# Altium PCB PCB1.PcbDoc
Units mm, origin at the board's own origin, x right, y up, seen from the top; angles counter-clockwise.
Board outline 100 x 70 mm, 2 copper layers (Top Layer, Bottom Layer); 33 components, 38 nets, 154 pads, 46 vias.
Unrouted connection lines stored in the file: 1.
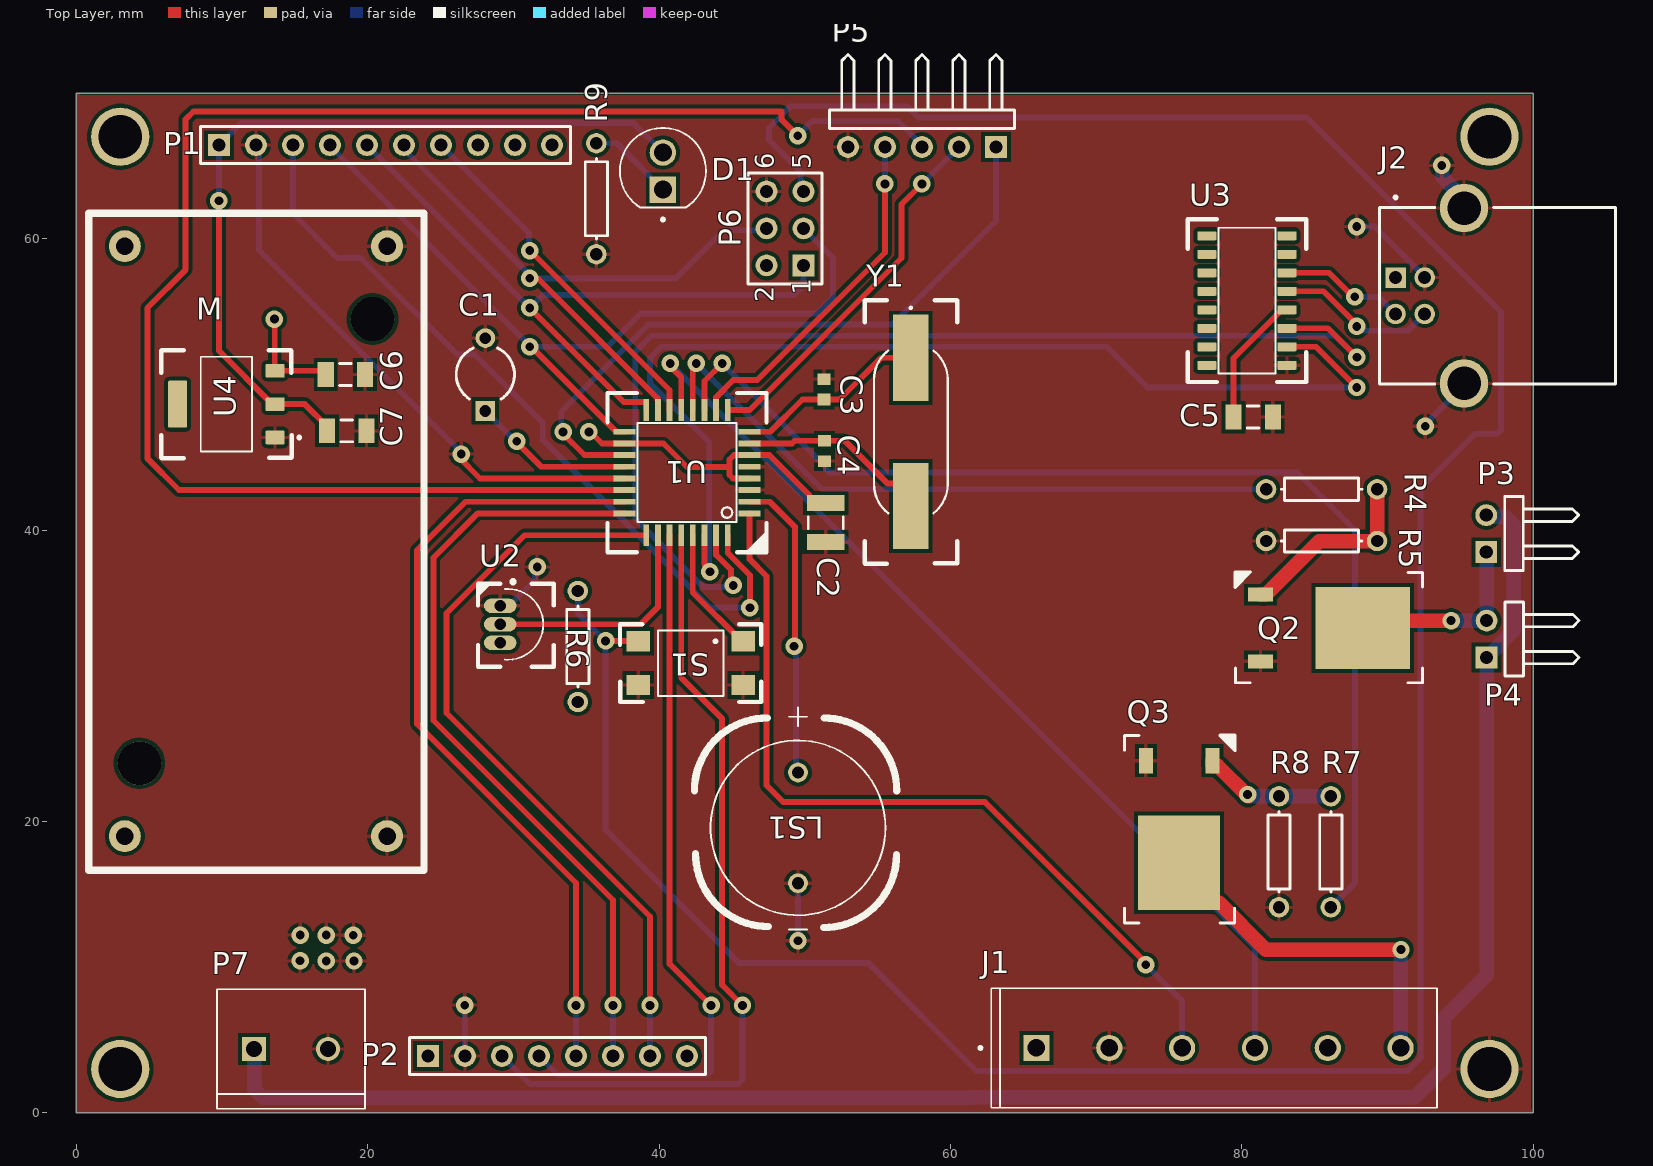
[diagram p0: Top Layer view]
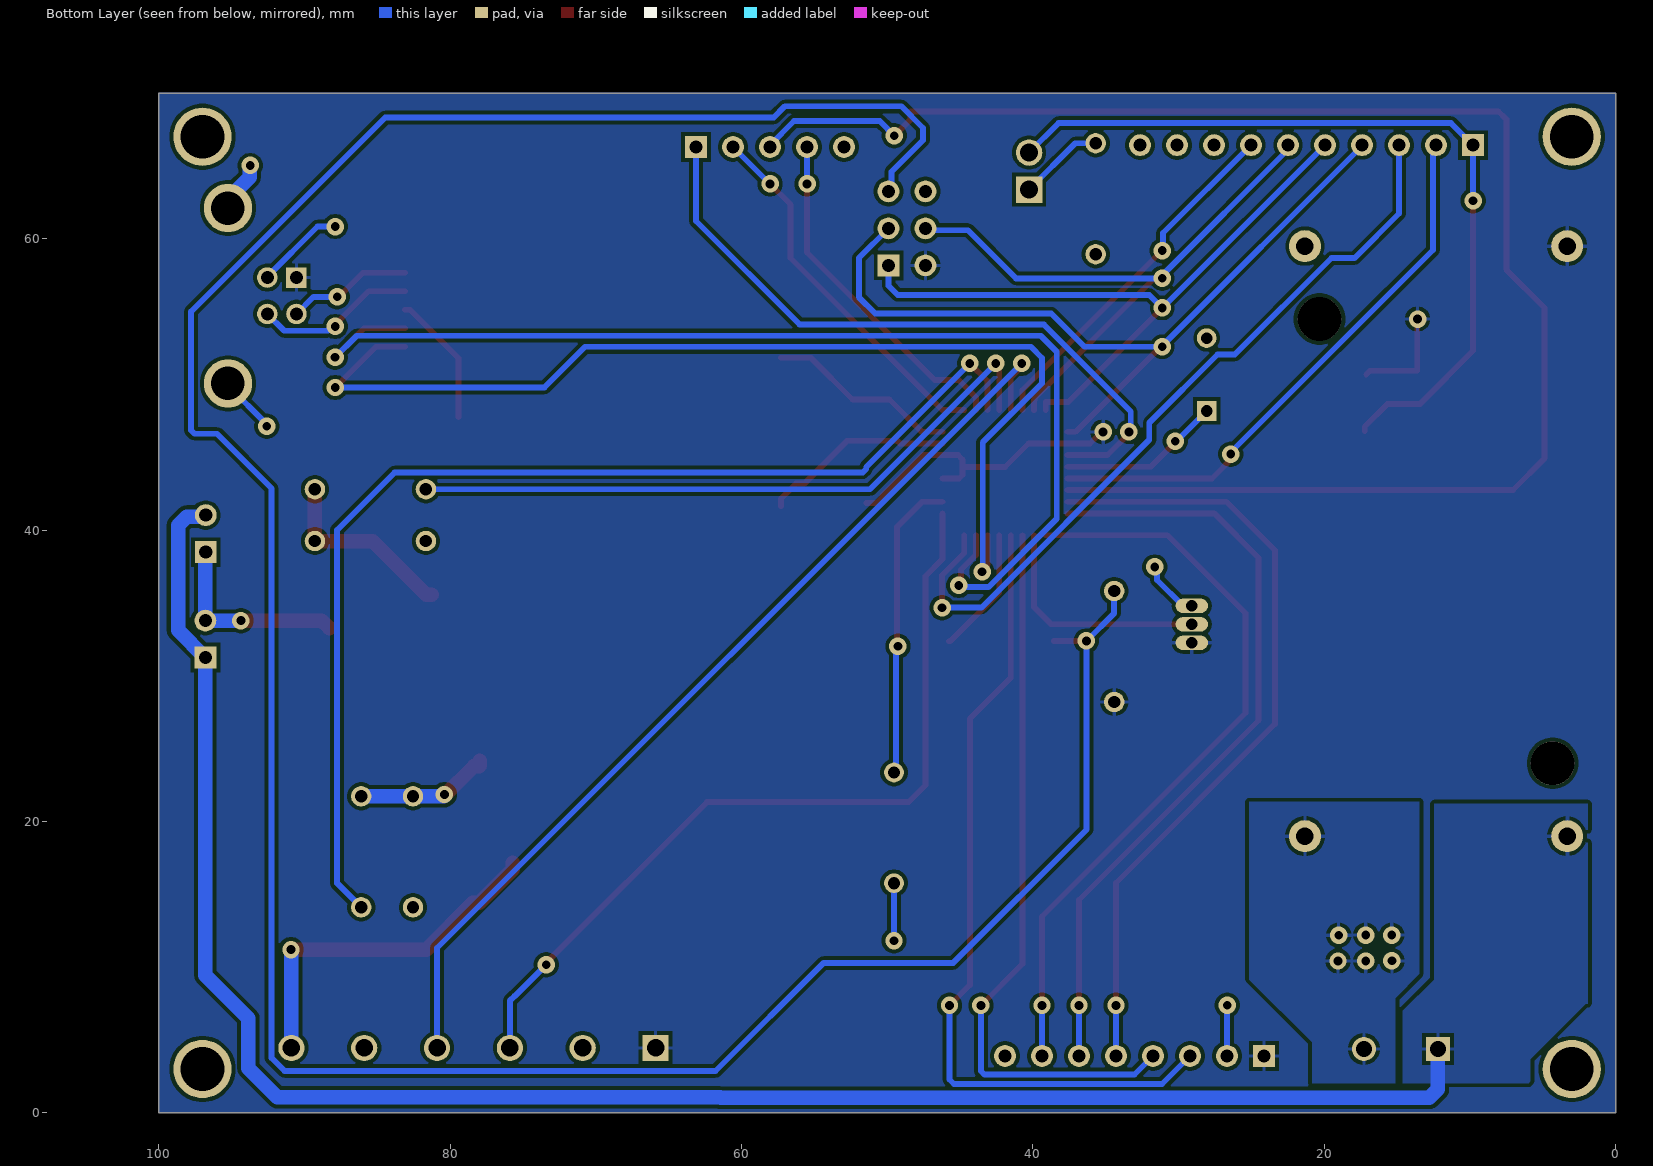
[diagram p1: Bottom Layer view, seen from below]

## Layer stack, top to bottom
Top Solder: solder mask 0.0102, Solder Resist, Dk 3.5
Top Layer: signal copper 0.0356
Dielectric 1: dielectric 0.32, FR-4, Dk 4.8
Bottom Layer: signal copper 0.0356
Bottom Solder: solder mask 0.0102, Solder Resist, Dk 3.5

## Board outline
0,0 0,70 100,70 100,0

## Design rules (kind name [scope] priority, off if disabled: settings)
Clearance [All] p1: gap=0.254 ignorepadtopadclearanceinfootprint=FALSE except(0: Arc-Hole Track-Hole SMDPad-Hole THPad-Hole Via-Hole Fill-Hole Poly-Hole Region-Hole Text-Hole)
HoleSize [All] p1: absolutevalues=TRUE maxlimit=8 minlimit=0.6 maxpercent=80.000 minpercent=20.000
HoleToHoleClearance [All] p1: gap=0.6 allowstackedmicrovias=TRUE
PolygonConnect [All] p1: connectstyle=Relief reliefconductorwidth=0.254 reliefentries=4 polygonreliefangle="90 Angle" airgapwidth=0.254
RoutingVias [All] p1: holewidth=0.711 width=1.27 viastyle="Through Hole" minholewidth=0.711 minwidth=1.27 maxholewidth=0.711 maxwidth=1.27
SolderMaskExpansion [All] p1: expansion=0.102 istentingtop=FALSE
Width [All] p1: maxlimit=2 minlimit=0.4 preferedwidth=0.4
28 further rules are at their usual default settings.

## Components (designator, comment, footprint, x,y, rotation, side; value= is the part's Value field where it differs from the comment)
C1 "Cap2" CAPR5-4X5 28.067,50.673 r90 top value=0.1uF
C2 "Cap Semi" C1210 51.435,40.513 r270 top value=10uF
C3 "Cap Semi" 1608[0603] 51.308,49.657 r90 top value=22pF
C4 "Cap Semi" 1608[0603] 51.359,45.432 r270 top value=22pF
C5 "Cap Semi" C1206 80.772,47.752 r0 top value=0.1uF
C6 "Cap" C1206 18.462,50.673 r0 top value=10uF
C7 "Cap" C1206 18.559,46.807 r0 top value=10uF
D1 "Power" LEDRD254W57D500H1070 40.259,64.643 r90 top
J1 "Gripper" TE_282836-6 78.399,4.445 r0 top
J2 "USB-B" SAMTEC_USB-B-S-X-X-TH 95.25,56.083 r90 top
LS1 "Buzzer" XDCR_AI-1223-TWT-12V-R 49.53,19.558 r0 top
M "LM2596 Buck Converter" PCBComponent_1 12.349,39.197 r90 top
P1 "Wireless Hub" HDR1X10 9.779,66.421 r0 top
P2 "Dashboard" HDR1X8 24.128,3.895 r0 top
P3 "Header 2H" HDR1X2H 96.774,38.481 r90 top
P4 "Header 2H" HDR1X2H 96.801,31.242 r90 top
P5 "Motor Driver" HDR1X5H 63.119,66.294 r180 top
P6 "ISP" HDR2X3 49.911,58.166 r90 top
P7 "12V Battery" TE_282837-2 14.732,4.375 r0 top
Q2 "NMOS-2" SM3113 88.173,33.146 r270 top
Q3 "NMOS-2" SM3113 75.565,17.272 r180 top
R4 "Res1" AXIAL-0.3 85.471,42.799 r180 top value=1K
R5 "Res1" AXIAL-0.3 85.471,39.243 r0 top value=1K
R6 "Res1" AXIAL-0.3 34.417,32.004 r270 top value=1K
R7 "Res1" AXIAL-0.3 86.106,17.907 r270 top value=1K
R8 "Res1" AXIAL-0.3 82.55,17.907 r90 top value=1K
R9 "Res1" AXIAL-0.3 35.687,62.738 r270 top value=100
S1 "SW-PB" SW_TL3305AF160QG 42.164,30.861 r180 top
U1 "ATMEGA328P-AU" QFP80P900X900X120-32N 41.91,43.942 r180 top
U2 "DS18B20" TO-92-TO92127P495H2044-3 29.845,33.528 r270 top
U3 "CH340C" SOIC127P600X180-16N 80.347,55.753 r180 top
U4 "AMS1117-3.3" SOT229P700X180-4N 10.287,48.641 r180 top
Y1 "16MHz Crystal" H32_RAM 57.277,46.736 r270 top

## Footprints (in the part's own frame and the unit in brackets; to place one, negate y for a bottom-side part, rotate by r counter-clockwise, add the part's x,y. Pads: shape width x height; smd on the part's side, far side on the other; paste and mask are expansions set on the pad)
1608[0603] [mm] "Chip Capacitor, Body 1.6x0.8mm, IPC High Density"
  rect 0.8x0.9 smd: 1(-0.7,0) 2(0.7,0)
  body extent -0.87,-0.48 0.87,0.48, height 1.3
AXIAL-0.3 [mm] "Axial Device, Thru-Hole; 2 Leads; 0.3 in Pin Spacing"
  round 1.4 hole 0.85: 1(-3.81,0) 2(3.81,0)
  silkscreen extent -2.77,-0.76 2.77,0.76
C1206 [mm] "Chip Capacitor, Body 3.2x1.6mm, IPC High Density"
  rect 1.1x1.7 smd: 1(-1.35,0) 2(1.35,0)
  silkscreen extent -0.4,-0.75 0.4,0.75, body extent -1.7,-0.9 1.7,0.9, height 1.3
C1210 [mm] "Chip Capacitor, Body 3.2x2.5mm, IPC High Density"
  rect 1.1x2.6 smd: 1(-1.35,0) 2(1.35,0)
  silkscreen extent -0.4,-1.2 0.4,1.2, body extent -1.7,-1.35 1.7,1.35, height 1.3
CAPR5-4X5 [mm] "Capacitor; 2 Leads"
  rect 1.35x1.35 hole 0.8: 1(-2.5,0)
  round 1.35 hole 0.8: 2(2.5,0)
  silkscreen extent -1.69,-2 1.82,2
H32_RAM [mm]
  rect 5.912x2.432 smd paste+0 mask+0: 1(-5.088,0) 2(5.088,0)
  silkscreen extent -9.04,-3.18 9.04,3.18, body extent -7.54,-2.4 7.54,2.4, height 3.25
HDR1X2H [mm] "Connector; Header; 2 Position; Right Angle"
  rect 1.5x1.5 hole 0.9: 1(0,0)
  round 1.5 hole 0.9: 2(2.54,0)
  silkscreen extent -1.27,-6.35 3.81,-1.27
HDR1X5H [mm] "Connector; Header; 5 Position; Right Angle"
  rect 1.5x1.5 hole 0.9: 1(0,0)
  round 1.5 hole 0.9: 2(2.54,0) 3(5.08,0) 4(7.62,0) 5(10.16,0)
  silkscreen extent -1.27,-6.35 11.43,-1.27
HDR1X8 [mm] "Connector; Header; 8 Position"
  rect 1.5x1.5 hole 0.9: 1(0,0)
  round 1.5 hole 0.9: 2(2.54,0) 3(5.08,0) 4(7.62,0) 5(10.16,0) 6(12.7,0) 7(15.24,0) 8(17.78,0)
  silkscreen extent -1.27,-1.27 19.05,1.27
HDR1X10 [mm] "Connector; Header; 10 Position"
  rect 1.5x1.5 hole 0.9: 1(0,0)
  round 1.5 hole 0.9: 2(2.54,0) 3(5.08,0) 4(7.62,0) 5(10.16,0) 6(12.7,0) 7(15.24,0) 8(17.78,0) 9(20.32,0) 10(22.86,0)
  silkscreen extent -1.27,-1.27 24.13,1.27
HDR2X3 [mm] "Connector; Header; 3x2 Position"
  rect 1.5x1.5 hole 0.9: 1(0,0)
  round 1.5 hole 0.9: 2(0,2.54) 3(2.54,0) 4(2.54,2.54) 5(5.08,0) 6(5.08,2.54)
  silkscreen extent -1.27,-1.27 6.35,3.81
LEDRD254W57D500H1070 [mm]
  round 1.815 hole 1.21: A(1.27,0)
  rect 1.815x1.815 / inner round 1.815 / far side rect 1.815x1.815 hole 1.21: C(-1.27,0)
  silkscreen extent -3.43,-2.96 2.96,2.96, body extent -2.6,-2.95 2.95,2.95, height 9.1
PCBComponent_1 [mm]
  round 2.2 hole 1.2: 1(-20.214,9.029) 2(-20.214,-8.971) 3(20.286,-8.971) 4(20.286,9.029)
  round 3 hole 3: ""(-15.214,8.029) ""(15.286,-7.971)
  silkscreen extent -22.55,-11.5 22.55,11.5, body extent -21.93,-10.63 21.67,10.67, height 16.8
QFP80P900X900X120-32N [mm]
  rect 1.5x0.4 smd: 1(-4.3,2.8) 2(-4.3,2) 3(-4.3,1.2) 4(-4.3,0.4) 5(-4.3,-0.4) 6(-4.3,-1.2) 7(-4.3,-2) 8(-4.3,-2.8) 17(4.3,-2.8) 18(4.3,-2) 19(4.3,-1.2) 20(4.3,-0.4) 21(4.3,0.4) 22(4.3,1.2) 23(4.3,2) 24(4.3,2.8)
  rect 0.4x1.5 smd: 9(-2.8,-4.3) 10(-2,-4.3) 11(-1.2,-4.3) 12(-0.4,-4.3) 13(0.4,-4.3) 14(1.2,-4.3) 15(2,-4.3) 16(2.8,-4.3) 25(2.8,4.3) 26(2,4.3) 27(1.2,4.3) 28(0.4,4.3) 29(-0.4,4.3) 30(-1.2,4.3) 31(-2,4.3) 32(-2.8,4.3)
  silkscreen extent -5.46,-5.46 5.46,5.46, body extent -4.5,-4.5 4.5,4.5, height 1.21
SAMTEC_USB-B-S-X-X-TH [mm]
  rect 1.408x1.408 hole 0.9: 1(1.25,4.7)
  round 1.408 hole 0.9: 2(-1.25,4.7) 3(-1.25,2.7) 4(1.25,2.7)
  round 3.316 hole 2.3: S1(-6.02,0) S2(6.02,0)
  silkscreen extent -6.05,-10.4 6.85,5.8, body extent -7.34,-10.54 7.16,5.96, height 10.7
SM3113 [mm]
  rect 0.96x1.73 smd: 1(-2.412,-6.893) 3(2.158,-6.893)
  rect 5.63x6.49 smd paste-4: 2(-0.127,0.127)
  silkscreen extent -3.96,-8.64 3.63,4.24, body extent -3.4,-7.15 3.14,2.76, height 2.7
SOIC127P600X180-16N [mm]
  rrect25% 1.31x0.62 smd: 1(-2.75,4.445) 2(-2.75,3.175) 3(-2.75,1.905) 4(-2.75,0.635) 5(-2.75,-0.635) 6(-2.75,-1.905) 7(-2.75,-3.175) 8(-2.75,-4.445) 9(2.75,-4.445) 10(2.75,-3.175) 11(2.75,-1.905) 12(2.75,-0.635) 13(2.75,0.635) 14(2.75,1.905) 15(2.75,3.175) 16(2.75,4.445)
  silkscreen extent -4.06,-5.59 4.06,5.59, body extent -3,-5 3,5, height 1.8
SOT229P700X180-4N [mm]
  rrect15% 1.31x0.93 smd: 1(-3.345,2.29) 2(-3.345,0) 3(-3.345,-2.29)
  rrect15% 1.31x3.24 smd: 4(3.345,0)
  silkscreen extent -5.1,-3.71 4.47,3.71, body extent -3.5,-3.25 3.5,3.25, height 1.8
SW_TL3305AF160QG [mm]
  rect 1.6x1.4 smd: 1(-3.6,-1.5) 2(3.6,-1.5) 3(-3.6,1.5) 4(3.6,1.5)
  silkscreen extent -4.85,-2.67 4.85,2.67, body extent -3.6,-2.25 3.9,2.25, height 3.8
TE_282836-6 [mm]
  rect 1.8x1.8 hole 1.2: 1(-12.5,0)
  round 1.8 hole 1.2: 2(-7.5,0) 3(-2.5,0) 4(2.5,0) 5(7.5,0) 6(12.5,0)
  silkscreen extent -16.45,-4.1 15,4.1, body extent -15.55,-4.14 15.05,4.06, height 10.01
TE_282837-2 [mm]
  rect 1.65x1.65 / inner round 1.65 / far side rect 1.65x1.65 hole 1.1: 1(-2.54,0)
  round 1.65 hole 1.1: 2(2.54,0)
  silkscreen extent -5.08,-4.1 5.08,4.1, body extent -5.68,-4.1 5.08,4.1, height 10
TO-92-TO92127P495H2044-3 [mm]
  oval 1x2.22 hole 0.8: 1(-1.27,-0.76) 2(0,-0.76) 3(1.27,-0.76)
  silkscreen extent -3.05,-2.29 2.92,2.92, body extent -2.28,-1.78 2.29,1.84, height 20.45
XDCR_AI-1223-TWT-12V-R [mm]
  round 1.358 hole 0.85: N(0,-3.8) P(0,3.8)
  silkscreen extent -7.11,-6.98 6.78,8.25, body extent -6,-6 6,7.44, height 9.56

## Part data
C1: "Capacitor", PackageDescription="Capacitor; 2 Leads", PackageReference=CAPR5-4X5, Published=23-Sep-2002, Publisher="Altium Limited"
C2 C3 C4 C5: "Capacitor (Semiconductor SIM Model)", LatestRevisionDate=29-May-2009, LatestRevisionNote="IPC-7351 Footprint Added.", PackageDescription="Chip Capacitor", PackageReference=C1206, Published=8-Jun-2000, Publisher="Altium Limited"
C6 C7: library part "Cap Semi", "Capacitor (Semiconductor SIM Model)", LatestRevisionDate=29-May-2009, LatestRevisionNote="IPC-7351 Footprint Added.", PackageDescription="Chip Capacitor", PackageReference=C1206, Published=8-Jun-2000, Publisher="Altium Limited"
D1: library part L08R5000Q1, "LED, 5MM, ORANGE; LED / Lamp Size: 5mm / T-1 3/4; LED Colour: Orange; Typ Luminous Intensity: 4.3mcd; Viewing Angle: ...", Package=None, Availability="In Stock", Check_prices=https://www.snapeda.com/parts/L08R5000Q1/LED+Technology/view-part/?ref=eda, MF="LED Technology", MP=L08R5000Q1, Price=None, SnapEDA_Link=https://www.snapeda.com/parts/L08R5000Q1/LED+Technology/view-part/?ref=snap
J1: library part 282836-6, "Wire to Board 6 Position 5 mm Pitch 30-16 AWG Euro Style Terminal Block", Package=None, Check_prices=https://www.snapeda.com/parts/282836-6/TE+Connectivity+AMP+Connectors/view-part/?ref=eda, Digi-Key_Part_Number=A98339-ND, EU_RoHS_Compliance="Compliant with Exemptions", MF="TE Connectivity", MP=282836-6, Purchase-URL=https://pricing.snapeda.com/search/part/282836-6/?ref=eda, SnapEDA_Link=https://www.snapeda.com/parts/282836-6/TE+Connectivity+AMP+Connectors/view-part/?ref=snap
J2: library part USB-B-S-X-X-TH, "USB-B (USB TYPE-B) USB 2.0 Receptacle Connector 4 Position Through Hole, Right Angle", Package=None, Check_prices=https://www.snapeda.com/parts/USB-B-S-S-B-TH/Samtec+Inc./view-part/?ref=eda, Digi-Key_Part_Number=SAM10869-ND, MF=Samtec, MP=USB-B-S-S-B-TH, Purchase-URL=https://pricing.snapeda.com/search/part/USB-B-S-S-B-TH/?ref=eda, SnapEDA_Link=https://www.snapeda.com/parts/USB-B-S-S-B-TH/Samtec+Inc./view-part/?ref=snap
LS1: library part AI-1223-TWT-12V-R, "ELECTRO-MECHANICAL AUDIO INDICATOR", Package=None, Availability="In Stock", Check_prices=https://www.snapeda.com/parts/AI-1223-TWT-12V-R/PUI+Audio%252C+Inc./view-part/?ref=eda, MF="PUI Audio,", MP=AI-1223-TWT-12V-R, Price=None, Purchase-URL=https://pricing.snapeda.com/search/part/AI-1223-TWT-12V-R/?ref=eda, SnapEDA_Link=https://www.snapeda.com/parts/AI-1223-TWT-12V-R/PUI+Audio%252C+Inc./view-part/?ref=snap
P1: library part "Header 10", "Header, 10-Pin", LatestRevisionDate=17-Jul-2002, LatestRevisionNote="Re-released for DXP Platform.", Publisher="Altium Limited"
P2: library part "Header 8", "Header, 8-Pin", LatestRevisionDate=17-Jul-2002, LatestRevisionNote="Re-released for DXP Platform.", Publisher="Altium Limited"
P3 P4: "Header, 2-Pin, Right Angle", LatestRevisionDate=17-Jul-2002, LatestRevisionNote="Re-released for DXP Platform.", Publisher="Altium Limited"
P5: library part "Header 5H", "Header, 5-Pin, Right Angle", LatestRevisionDate=17-Jul-2002, LatestRevisionNote="Re-released for DXP Platform.", Publisher="Altium Limited"
P6: library part "Header 3X2", "Header, 3-Pin, Dual row", LatestRevisionDate=17-Jul-2002, LatestRevisionNote="Re-released for DXP Platform.", Publisher="Altium Limited"
P7: library part 282837-2, "Ð Ð°Ð·ÑŠÐµÐ¼Ð½Ñ‹Ðµ ÐºÐ»ÐµÐ¼Ð¼Ð½Ñ‹Ðµ ÐºÐ¾Ð»Ð¾Ð´ÐºÐ¸ Ð Ð¾Ð·ÐµÑ‚ÐºÐ° 2 Ð¿Ð¾Ð»Ð¾Ð¶ÐµÐ½Ð¸Ñ 5,08 Ð¼Ð¼ ÐŸÑ€Ð¸Ð¿Ð¾Ð¹ Ð¿Ñ€ÑÐ¼Ð¾Ð¹ Ñ‡ÐµÑ€ÐµÐ· Ð¾Ñ‚Ð²ÐµÑ€ÑÑ‚Ð¸Ðµ 13,5 Ð / ÐºÐ¾Ð½Ñ‚Ð°ÐºÑ‚", Package=None, Availability="In Stock", Check_prices=https://www.snapeda.com/parts/282837-2/TE+Connectivity+AMP+Connectors/view-part/?ref=eda, MF="TE Connectivity", MP=282837-2, Price=None, Purchase-URL=https://pricing.snapeda.com/search/part/282837-2/?ref=eda, SnapEDA_Link=https://www.snapeda.com/parts/282837-2/TE+Connectivity+AMP+Connectors/view-part/?ref=snap
Q2 Q3: "N-Channel Power MOSFET", ComponentLink1Description="Manufacturer Link", ComponentLink1URL=http://www.irf.com/, DatasheetVersion=PD-9.814, LatestRevisionDate=17-Jul-2002, LatestRevisionNote="Re-released for DXP Platform.", Note="Pin 2 is electrically connected to pin 4.", PackageDescription="TO, Thru-Hole, Vertical, Heatsink Mounted; 3 In-Line Leads; Pitch 2.54 mm", PackageReference=TO-220AB, PackageVersion=Feb-1997, Published=8-Jun-2000, Publisher="Altium Limited"
R4 R5 R6 R7 R8 R9: "Resistor", LatestRevisionDate=17-Jul-2002, LatestRevisionNote="Re-released for DXP Platform.", PackageDescription="Axial Device, Thru-Hole; 2 Leads; 0.3 in Pin Spacing", PackageReference=AXIAL-0.3, Published=8-Jun-2000, Publisher="Altium Limited"
S1: "Switch", LatestRevisionDate=17-Jul-2002, LatestRevisionNote="Re-released for DXP Platform.", PackageDescription="Switch; 2 Leads", PackageReference=SPST-2, Published=24-Mar-1999, Publisher="Altium Limited"
U1: "AVR AVRÂ® ATmega Microcontroller IC 8-Bit 20MHz 32KB (16K x 16) FLASH 32-TQFP (7x7)", Package="TQFP-32 Microchip", Availability="In Stock", Check_prices=https://www.snapeda.com/parts/ATMEGA328P-AU/Microchip/view-part/?ref=eda, MF="Microchip Technology", MP=ATMEGA328P-AU, Price=None, Purchase-URL=https://pricing.snapeda.com/search/part/ATMEGA328P-AU/?ref=eda, SnapEDA_Link=https://www.snapeda.com/parts/ATMEGA328P-AU/Microchip/view-part/?ref=snap
U2: "Temperature Sensor Digital, Local -55Â°C ~ 125Â°C 12 b 8-uMAX-EP", Package="TO-226-3 Maxim", Availability="In Stock", Check_prices=https://www.snapeda.com/parts/DS18B20/Maxim+Integrated/view-part/?ref=eda, MF=Maxim, MP=DS18B20, Price=None, Purchase-URL=https://pricing.snapeda.com/search/part/DS18B20/?ref=eda, SnapEDA_Link=https://www.snapeda.com/parts/DS18B20/Maxim+Integrated/view-part/?ref=snap
U3: "USB to serial chip CH340", Package=None, Availability="Not in stock", Check_prices=https://www.snapeda.com/parts/CH340C/WCH/view-part/?ref=eda, MF=WCH, MP=CH340C, Price=None, SnapEDA_Link=https://www.snapeda.com/parts/CH340C/WCH/view-part/?ref=snap
U4: "Sot223/Pkg 1-Amp 3.3-Volt Low Drop Out Voltage Regulatator", Package="SOT-223 Seeed Technology", Availability="Not in stock", Check_prices=https://www.snapeda.com/parts/AMS1117-3.3/Advanced+Monolithic+Systems/view-part/?ref=eda, MF="Advanced Monolithic Systems", MP=AMS1117-3.3, Price=None, SnapEDA_Link=https://www.snapeda.com/parts/AMS1117-3.3/Advanced+Monolithic+Systems/view-part/?ref=snap
Y1: library part HC49/US-10.244MHZ-16PF-30-EXT-SMD-H32-TR, "No Description Available", Mfr_Name="Rami Technology", Copyright="Copyright (C) 2023 Ultra Librarian. All rights reserved.", Manufacturer_Part_Number=HC49/US-10.244MHZ-16PF-30-EXT-SMD-H32-TR, RefDes=RefDes, Type=DEV

## Free pads (board coordinates)
  round 4 hole 3: 18(3,3) 18(3,67) 18(97,3) 18(97,67)

## Via types
v1: diameter 1.2, hole 0.6, Top Layer to Bottom Layer, 46 vias

## Nets (pads, with @x,y where several pads share a name; then routed paths per layer and width w, separated by ;. In a path a pad name is that pad's centre, name@x,y a point inside that pad or via, vN(x,y) a via of type N, cw(c..) or ccw(c..) an arc to the next point about the centre after c; other vN are vias at no path point)
+3.3: C7.1 D1.A P1.1 U4.2 | length 56
  Top Layer w0.4: v1(9.779,62.611) 9.779,52.304 13.442,48.641 U4.2 15.675,48.641 17.209,47.107 C7.1
  Bottom Layer w0.4: v1(9.779,62.611) P1.1 11.303,67.945 38.227,67.945 D1.A
+5: C2.1 C6.1 J1.1 J2.1 M.4 P2.1 P6.2 R6.2 U1.4 U1.6 U1.18 U2.3 U3.16 U4.3 | length 28.5
  Top Layer w0.4: v1(13.589,54.483) 13.611,54.461 13.611,50.952 U4.3 16.854,50.931 C6.1 ; v1(35.179,46.736) 35.288,46.736 36.082,45.942 U1.18 40.291,45.942 41.91,44.323 44.831,44.323 ; U1.4 45.065,43.542 44.831,43.776 44.831,44.323 ; C2.1 50.685,41.863 50.335,42.213 50.335,42.367 47.56,45.142 U1.6 45.142,45.142 44.831,44.831 44.831,44.323
GND: C1.2 C2.2 C3.2 C4.2 C5.2 C6.2 C7.2 J1.2 J2.4 J2.S1 J2.S2 LS1.N M.2 M.3 P1.2 P2.2 P5.5 P6.6 P7.2 pad.18@97,3 Q2.3 Q3.3 R5.1 R8.1 R9.2 S1.3 S1.4 U1.3 U1.5 U1.21 U2.1 U3.1 U4.1 | length 64.8
  Top Layer w0.4: P1.2 P1.2@12.529,66.211 ; v1@26.289,45.466 26.289,44.958 27.705,43.542 U1.21
  Bottom Layer w0.4: P1.2@12.529,66.211 12.529,59.226 v1@26.289,45.466 ; v1(26.652,7.384) 26.661,7.375 26.661,3.565 P2.2@26.67,3.556 ; U2.1 29.695,34.798 31.47,36.573 31.47,37.312 v1(31.623,37.465) ; v1(49.53,11.811) LS1.N ; v1(87.884,60.833) 89.1,60.833 92.55,57.383 J2.4 ; v1(92.583,47.117) 92.583,47.257 95.25,49.924 J2.S1
  Bottom Layer w1: v1(93.726,65.024) 93.764,64.986 93.764,64.215 95.25,62.73 J2.S2
  other v1: 15.347,10.424 17.145,10.414 19.05,10.414 19.007,12.179 15.367,12.192 17.145,12.192 26.416,45.212
NetC1_1: C1.1 U1.20 | length 11.2
  Top Layer w0.4: v1@30.182,46.057 31.898,44.342 U1.20
  Bottom Layer w0.4: C1.1 30.139,46.101 v1(30.226,46.101)
NetC5_1: C5.1 U3.4 | length 9.1
  Top Layer w0.4: C5.1 79.422,51.788 82.752,55.118 U3.4
NetD1_C: D1.C R9.1 | length 5.9
  Bottom Layer w0.4: R9.1 37.084,66.548 D1.C
NetJ1_3: J1.3 U1.1 | length 57
  Top Layer w0.4: U1.1 46.21,37.991 47.371,36.83 47.371,22.479 48.514,21.336 62.357,21.336 v1@73.406,10.287
  Bottom Layer w0.4: v1(73.406,10.16) 75.565,8.001 75.585,8.001 75.899,7.687 J1.3
NetJ1_4: J1.4 U1.13 | length 67.1
  Top Layer w0.4: v1(40.767,51.435) 40.767,51.224 41.51,50.481 U1.13
  Bottom Layer w0.4: v1(40.767,51.435) 80.899,11.303 J1.4
NetJ1_6: J1.6 Q3.2 | length 24.7
  Top Layer w1: Q3.2 75.692,16.715 78.007,14.4 78.437,14.4 81.636,11.201 v1(90.925,11.201)
  Bottom Layer w1: J1.6 90.912,4.458 90.912,11.188 v1(90.925,11.201)
NetJ2_2: J2.2 U3.6 | length 8.7
  Top Layer w0.4: U3.6 85.979,57.658 87.694,55.944 v1@87.814,55.944
  Bottom Layer w0.4: v1(87.757,56.007) 89.376,56.007 J2.2
NetJ2_3: J2.3 U3.5 | length 11.3
  Top Layer w0.4: U3.5 85.598,56.388 v1@87.947,54.038 ; v1(87.884,53.975) v1@88.011,53.848
  Bottom Layer w0.4: v1(87.884,53.975) 88.1,53.975 88.4,53.675 91.392,53.675 J2.3
NetLS1_P: LS1.P U1.2 | length 21.1
  Top Layer w0.4: U1.2 47.593,41.942 49.315,40.22 v1@49.315,32.022 ; v1(49.258,32.022) v1@49.29,31.99 ; LS1.P@49.347,23.541 LS1.P
  Bottom Layer w0.4: v1(49.258,32.022) 49.394,31.886 49.394,23.494 LS1.P
NetP1_3: P1.3 U1.32 | length 53.6
  Top Layer w0.4: U1.32 44.71,38.417 46.228,36.899 v1(46.228,34.671)
  Bottom Layer w0.4: P1.3 14.859,61.722 17.907,58.674 19.504,58.674 26.134,52.044 27.327,52.044 32.004,47.367 32.004,46.197 43.53,34.671 v1(46.228,34.671)
NetP1_4: P1.4 P6.3 U1.17 | length 56.2
  Top Layer w0.4: v1(31.115,52.578) 31.224,52.578 37.06,46.742 U1.17
  Bottom Layer w0.4: P1.4 17.399,66.358 31.115,52.642 v1(31.115,52.578) 36.449,52.578 38.735,54.864 50.82,54.864 51.943,55.987 51.943,58.674 P6.3
NetP1_5: P1.5 P6.1 U1.16 | length 47.8
  Top Layer w0.4: v1(31.115,55.245) 37.568,48.792 39.11,48.792 U1.16
  Bottom Layer w0.4: P1.5 v1(31.115,55.245) 32.004,56.134 49.276,56.134 49.911,56.769 P6.1
NetP1_6: P1.6 P6.4 U1.15 | length 42.8
  Top Layer w0.4: 31.715,57.229 39.875,49.069 39.875,48.944 39.91,48.909 U1.15
  Bottom Layer w0.4: P1.6 22.479,66.129 31.115,57.493 v1(31.115,57.277) 41.148,57.277 44.45,60.579 47.244,60.579 P6.4
NetP1_7: P1.7 U1.14 | length 24.7
  Top Layer w0.4: v1(31.115,59.182) 31.14,59.182 40.71,49.612 U1.14
  Bottom Layer w0.4: P1.7 31.058,60.382 31.058,59.239 v1(31.115,59.182)
NetP2_3: P2.3 U1.28 | length 56.4
  Top Layer w0.4: U1.28 41.51,29.864 44.323,27.051 44.323,8.763 v1(45.72,7.366)
  Bottom Layer w0.4: P2.3@29.21,3.556 29.547,3.556 31.133,1.97 45.404,1.97 45.72,2.286 v1(45.72,7.366)
NetP2_4: P2.4 U1.27 | length 50.3
  Top Layer w0.4: U1.27 40.71,10.217 v1(43.561,7.366)
  Bottom Layer w0.4: P2.4@31.75,3.556 32.087,3.556 33.019,2.624 43.327,2.624 43.561,2.858 v1(43.561,7.366)
NetP2_5: P2.5 U1.23 | length 55.2
  Top Layer w0.4: v1(34.29,7.366) 34.29,15.77 23.368,26.692 23.368,38.608 26.702,41.942 U1.23
  Bottom Layer w0.4: P2.5@34.29,3.556 v1(34.29,7.366)
NetP2_6: P2.6 U1.24 | length 54
  Top Layer w0.4: v1(36.83,7.366) 36.83,14.605 24.511,26.924 24.511,38.1 27.553,41.142 U1.24
  Bottom Layer w0.4: P2.6@36.83,3.556 v1(36.83,7.366)
NetP2_7: P2.7 U1.25 | length 52.4
  Top Layer w0.4: U1.25 30.752,39.642 25.4,34.29 25.4,27.432 39.37,13.462 v1(39.37,7.366)
  Bottom Layer w0.4: P2.7@39.37,3.556 v1(39.37,7.366)
NetP3_1: P3.1 P4.2 Q2.2 | length 13.4
  Top Layer w1: Q2.2 88.809,33.782 v1(94.361,33.782)
  Bottom Layer w1: v1(94.361,33.782) P4.2 P3.1@96.801,38.454
NetP5_1: P5.1 U1.19 | length 46.7
  Top Layer w0.4: v1(33.401,46.736) 33.401,46.609 34.868,45.142 U1.19
  Bottom Layer w0.4: v1(33.401,46.736) 33.277,46.86 33.277,48.136 39.243,54.102 56.007,54.102 63.119,61.214 P5.1
NetP5_2: P5.2 U1.9 | length 25.5
  Top Layer w0.4: U1.9 46.21,48.242 56.642,58.674 56.642,62.357 v1(58.039,63.754)
  Bottom Layer w0.4: v1(58.039,63.754) P5.2
NetP5_3: P5.3 U1.22 | length 111
  Top Layer w0.4: U1.22 7.042,42.742 4.865,44.919 4.865,55.245 7.493,57.873 7.493,68.199 8.031,68.737 48.387,68.737 48.387,68.199 v1(49.512,67.074)
  Bottom Layer w0.4: v1(49.512,67.074) 50.511,68.072 56.388,68.072 58.039,66.421 P5.3
NetP5_4: P5.4 U1.10 | length 23.8
  Top Layer w0.4: U1.10 43.91,49.117 45.085,50.292 46.736,50.292 55.499,59.055 v1(55.499,63.754)
  Bottom Layer w0.4: v1(55.499,63.754) P5.4
NetP6_5: P6.5 R6.1 S1.1 S1.2 U1.29 | length 207.8
  Top Layer w0.4: v1(36.322,32.385) 38.54,32.385 S1.2 ; U1.29 42.31,35.715 45.664,32.361 S1.1
  Bottom Layer w0.4: R6.1 34.417,34.29 v1(36.322,32.385) 36.322,19.431 45.466,10.287 54.356,10.287 61.784,2.859 91.361,2.859 92.253,3.751 92.253,42.85 96.012,46.609 97.556,46.609 97.79,46.843 97.79,54.991 84.455,68.326 57.785,68.326 57.023,69.088 49.022,69.088 47.537,67.603 47.537,66.76 49.701,64.596 49.701,63.456 P6.5
NetQ2_1: Q2.1 R4.1 R5.2 | length 13.1
  Top Layer w1: Q2.1 81.625,35.558 85.31,39.243 R5.2 R4.1
NetQ3_1: Q3.1 R7.1 R8.2 | length 9.3
  Top Layer w1: Q3.1 77.977,23.82 77.997,23.8 78.342,23.8 v1@80.425,21.717
  Bottom Layer w1: v1@80.425,21.717 R8.2 R7.1
  other v1: 80.391,21.844
NetR4_2: R4.2 U1.12 | length 46
  Top Layer w0.4: U1.12 42.31,50.984 42.545,51.219 v1(42.545,51.435)
  Bottom Layer w0.4: v1(42.545,51.435) 51.181,42.799 R4.2
NetR7_2: R7.2 U1.11 | length 78.5
  Top Layer w0.4: U1.11 43.11,50.222 v1(44.323,51.435)
  Bottom Layer w0.4: v1(44.323,51.435) 51.435,44.323 51.435,44.196 51.678,43.953 83.809,43.953 87.757,40.005 87.757,15.748 R7.2
NetU1_26: U1.26 U2.2 | length 16.3
  Top Layer w0.4: U2.2 38.735,33.528 39.91,34.703 U1.26
NetU1_30: U1.30 U3.2 | length 75
  Top Layer w0.4: U1.30 43.11,37.624 43.483,37.251 v1(43.483,37.133) ; U3.2 85.09,52.578 v1(87.884,49.784)
  Bottom Layer w0.4: v1(43.483,37.133) 43.434,37.182 43.434,46.016 39.37,50.08 39.37,51.816 40.132,52.578 70.739,52.578 73.533,49.784 v1(87.884,49.784)
NetU1_31: U1.31 U3.3 | length 80.4
  Top Layer w0.4: U1.31 43.91,38.292 44.932,37.27 44.932,36.348 v1(45.085,36.195) ; U3.3 85.908,53.848 v1(87.898,51.858)
  Bottom Layer w0.4: v1(45.085,36.195) 44.969,36.079 43.046,36.079 38.354,40.771 38.354,52.238 39.456,53.34 86.416,53.34 v1(87.898,51.858)
VBat: M.1 P3.2 P4.1 P7.1 | length 127
  Bottom Layer w1: P7.1 12.192,1.602 12.778,1.016 61.43,1.016 61.466,1.052 91.857,1.052 93.853,3.048 93.853,6.477 96.801,9.425 P4.1 98.679,33.12 98.679,40.34 98.093,40.925 96.87,40.925 P3.2
XTAL1: C4.1 U1.7 Y1.2 | length 13.3
  Top Layer w0.4: U1.7 49.117,45.942 49.307,46.132 C4.1 52.746,46.132 55.695,43.183 56.261,43.183 57.277,42.167 Y1.2
XTAL2: C3.1 U1.8 Y1.1 | length 13.2
  Top Layer w0.4: U1.8 47.631,46.742 49.846,48.957 C3.1 52.376,48.957 55.243,51.824 Y1.1
pads on no net: J1.5 M. P1.8 P1.9 P1.10 P2.8 U3.7 U3.8 U3.9 U3.10 U3.11 U3.12 U3.13 U3.14 U3.15 U4.4

## Polygon pours and split planes (outlines as drawn)
+5 on Bottom Layer "+5_L02_P002" (solid, pour order 2): 0,0 0,70.005 99.991,70.005 100,69.995 100,0
VBat on Bottom Layer "VBAT_L02_P000" (solid, pour order 0): 5.842,2.159 5.969,2.032 14.605,2.032 14.605,6.985 12.446,9.144 12.446,21.209 1.905,21.209 1.905,7.493 2.032,7.493 5.842,3.683 5.842,2.032
GND on Bottom Layer "GND_L02_P001" (solid, pour order 1): 25.146,21.336 25.146,9.144 20.828,4.826 20.828,2.032 15.113,2.032 15.113,7.874 13.462,9.525 13.462,21.336
GND on Top Layer "GND_L01_P003" (solid, pour order 3): 0,0 0,70.104 0.254,69.85 99.822,69.85 99.822,0.254 100.076,0

## Silkscreen, mask and mechanical layers (free items; w line width, h text height)
Mechanical 5:
  the board outline again, w0.01

## Text inside footprints (layer, text, board x,y; h text height)
P6: Top Overlay "1" at 50.419,56.134 h1.27 r90; Top Overlay "2" at 47.879,55.626 h1.27 r90; Top Overlay "5" at 50.419,64.77 h1.27 r90; Top Overlay "6" at 47.879,64.77 h1.27 r90